# Altium PCB PCB_H-bridge.PcbDoc
Units mm, origin at the board's own origin, x right, y up, seen from the top; angles counter-clockwise.
Board outline 120 x 120 mm, 4 copper layers (Top Layer, Gnd, Vcc, Bottom Layer), stack 1.946 mm thick; 54 components, 49 nets, 234 pads, 77 vias.
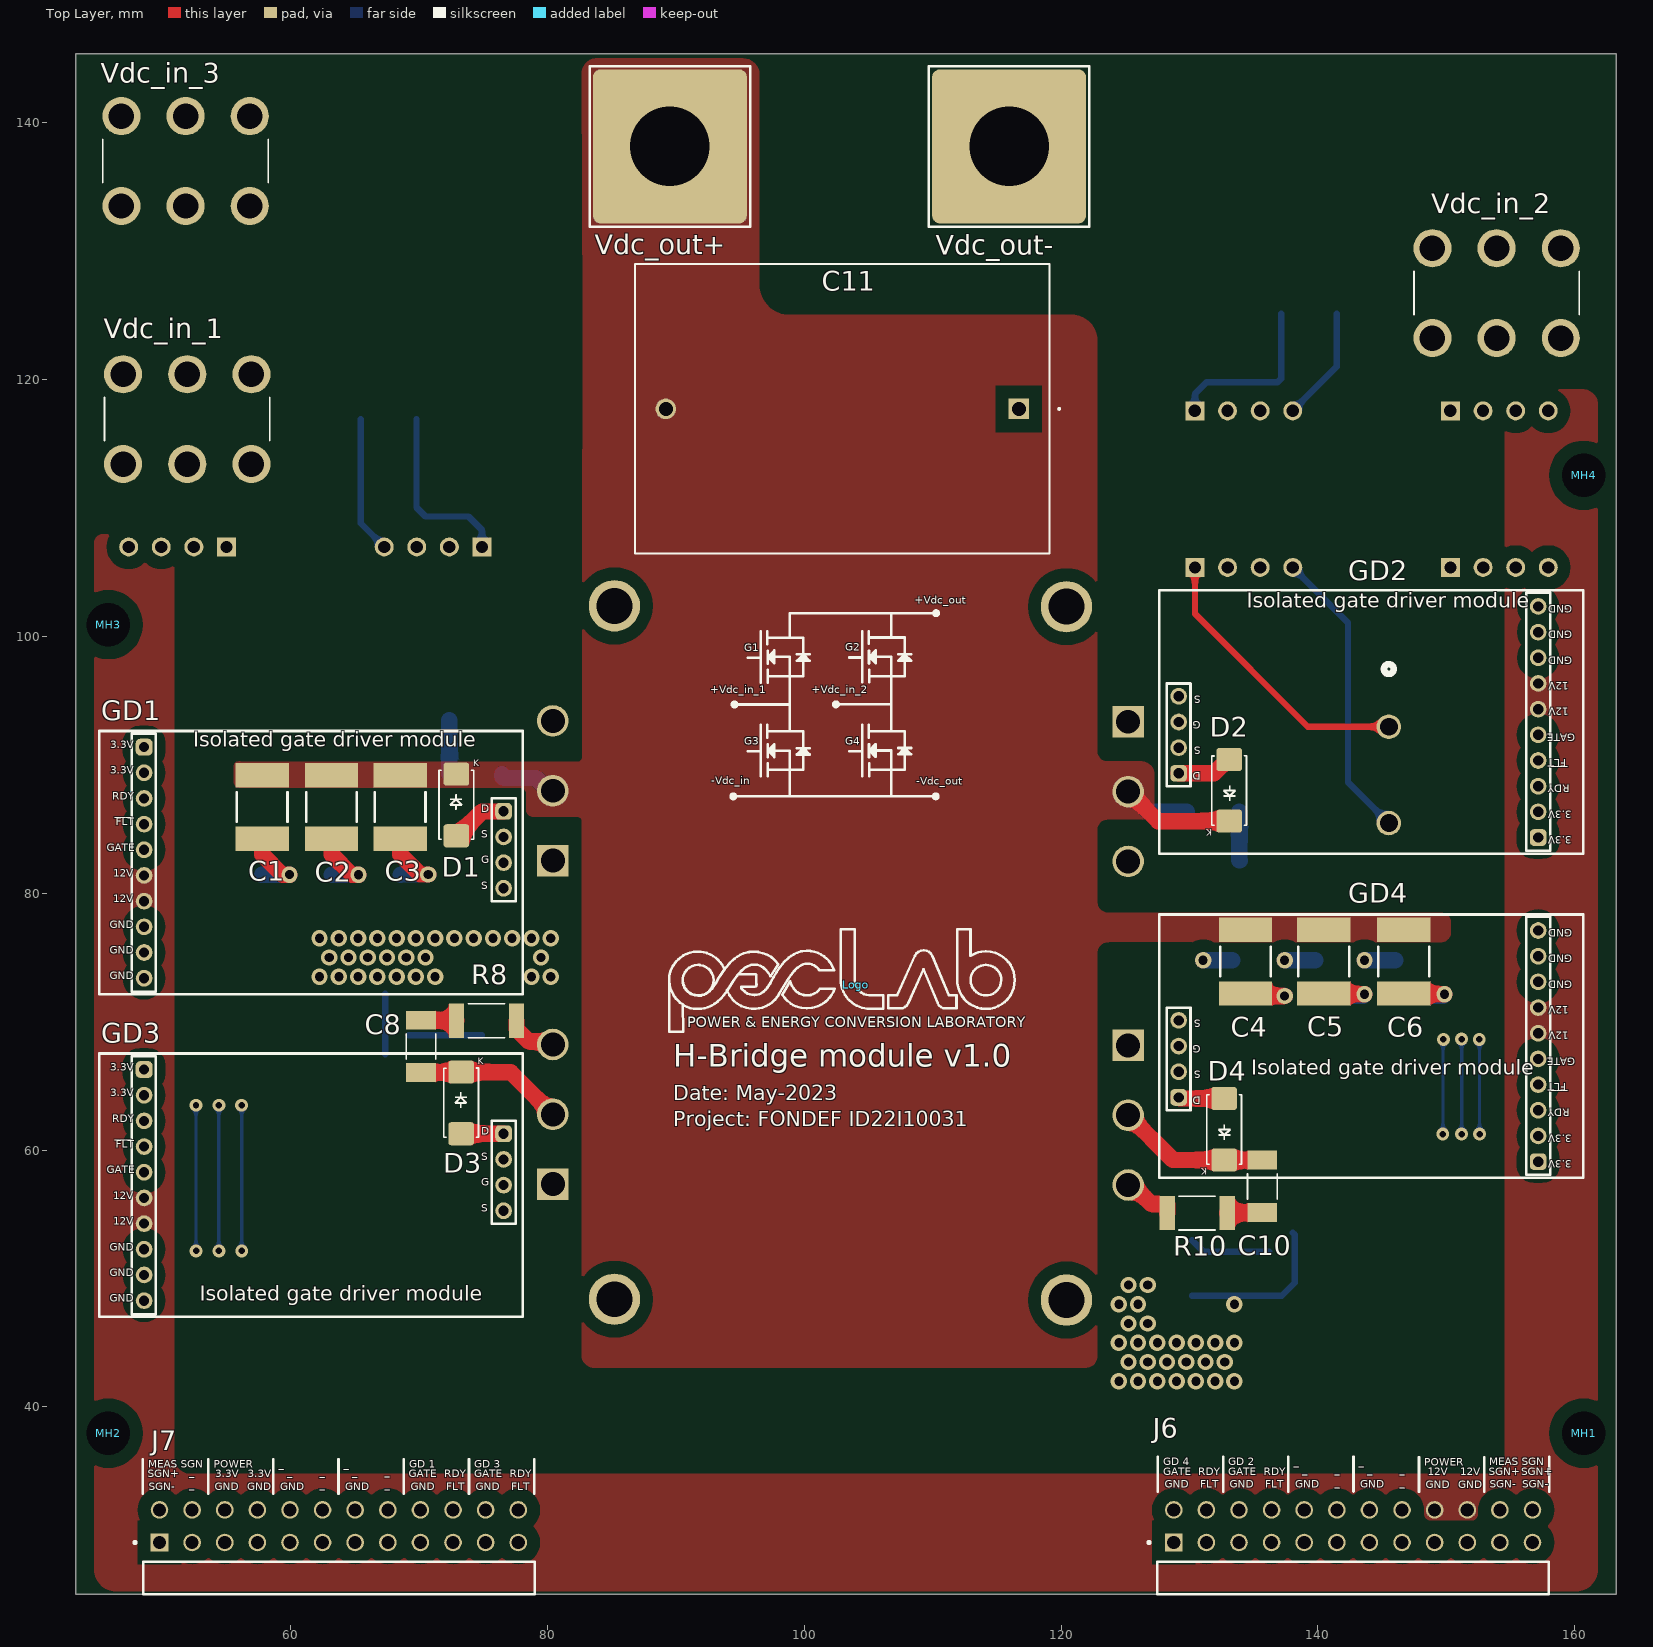
[diagram p0: Top Layer view]
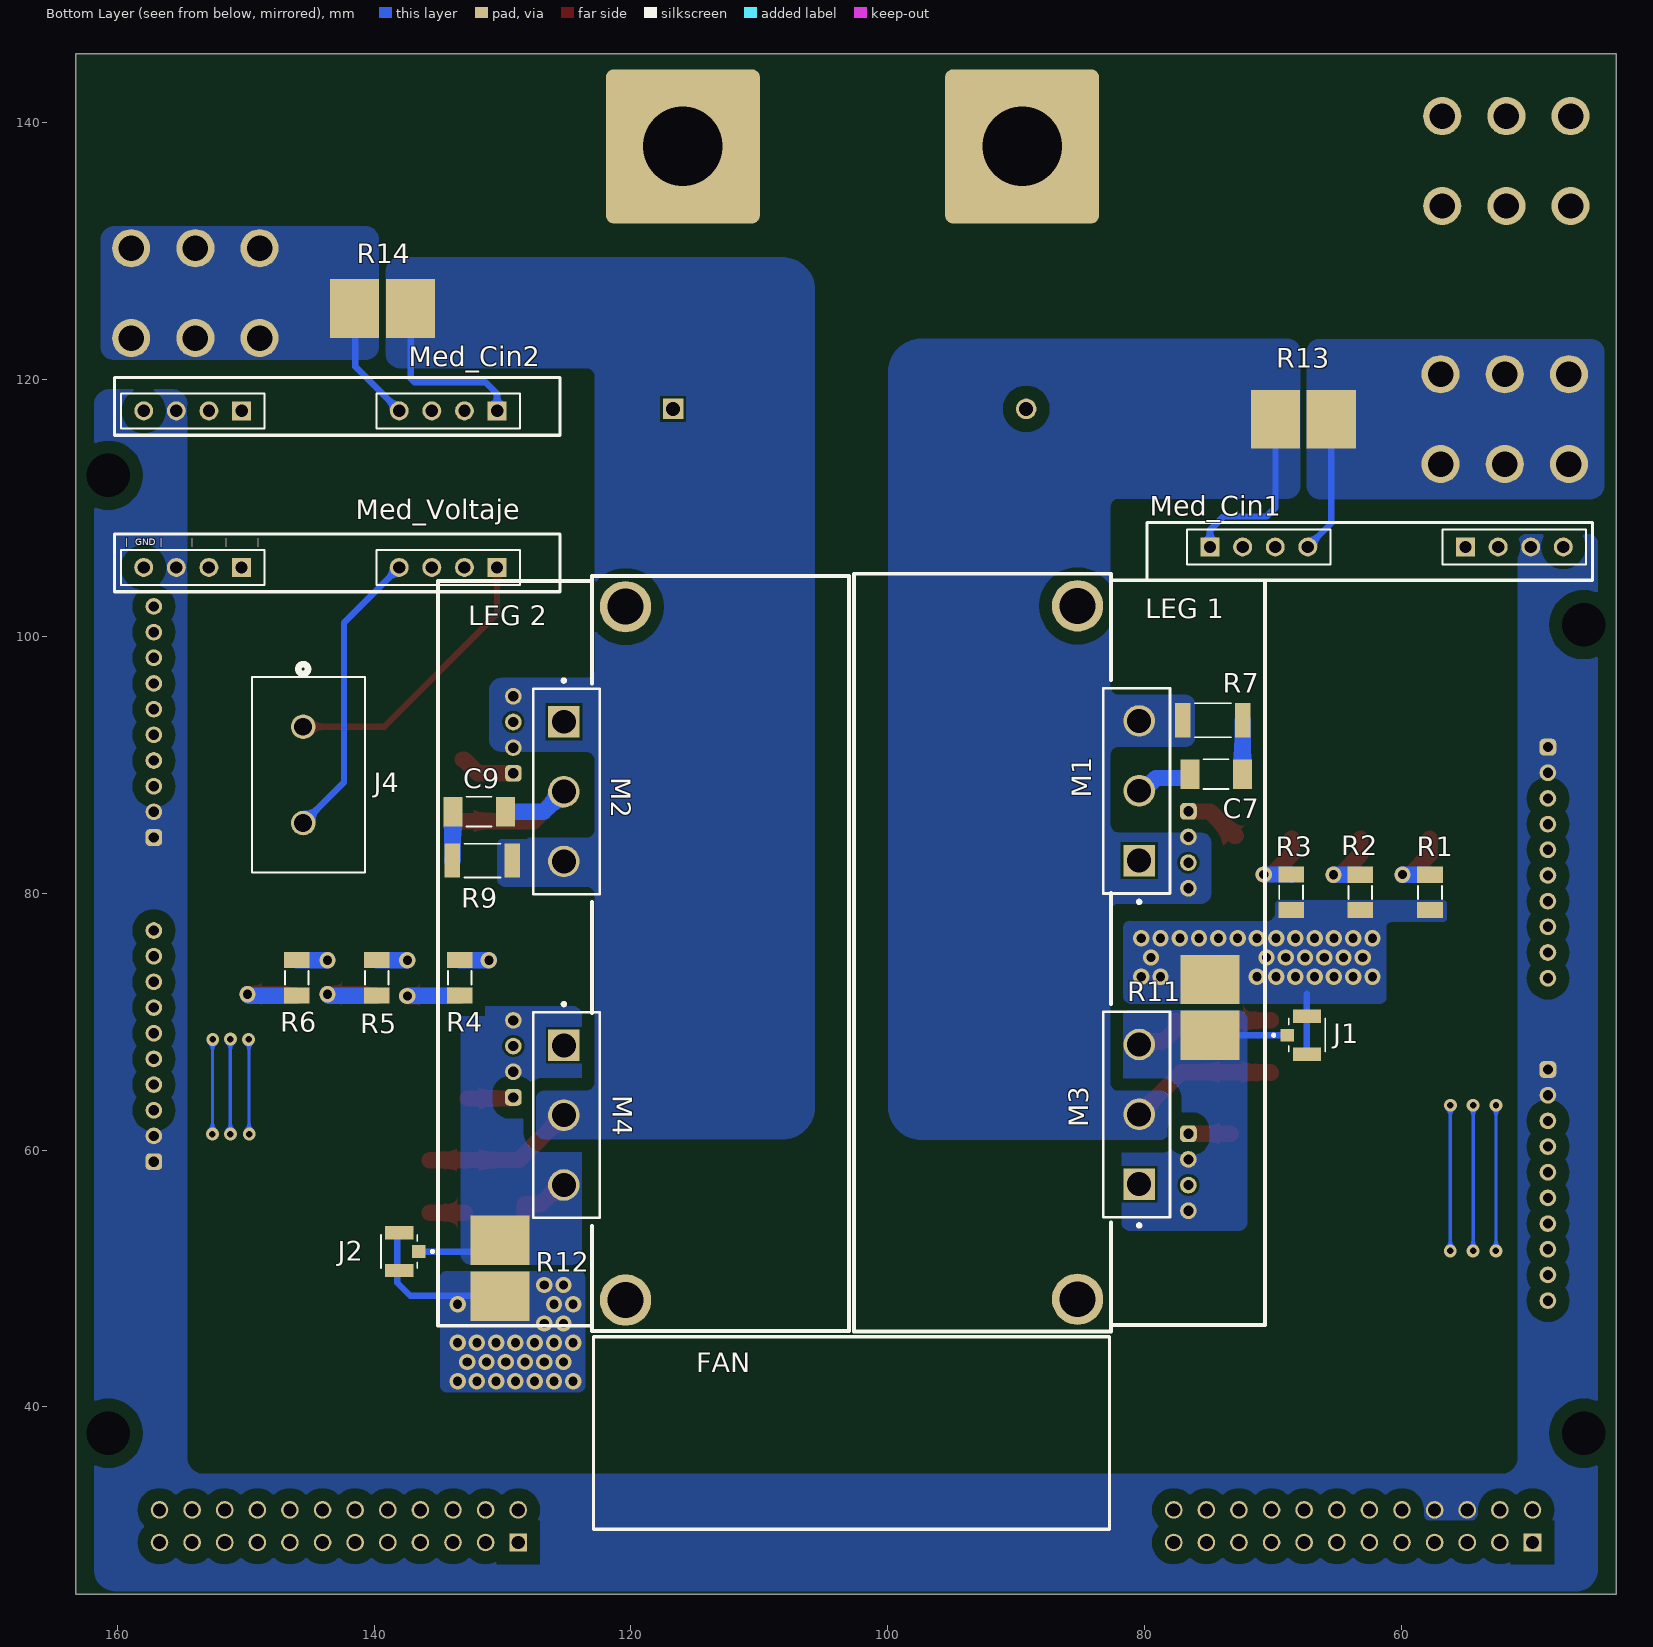
[diagram p1: Bottom Layer view, seen from below]
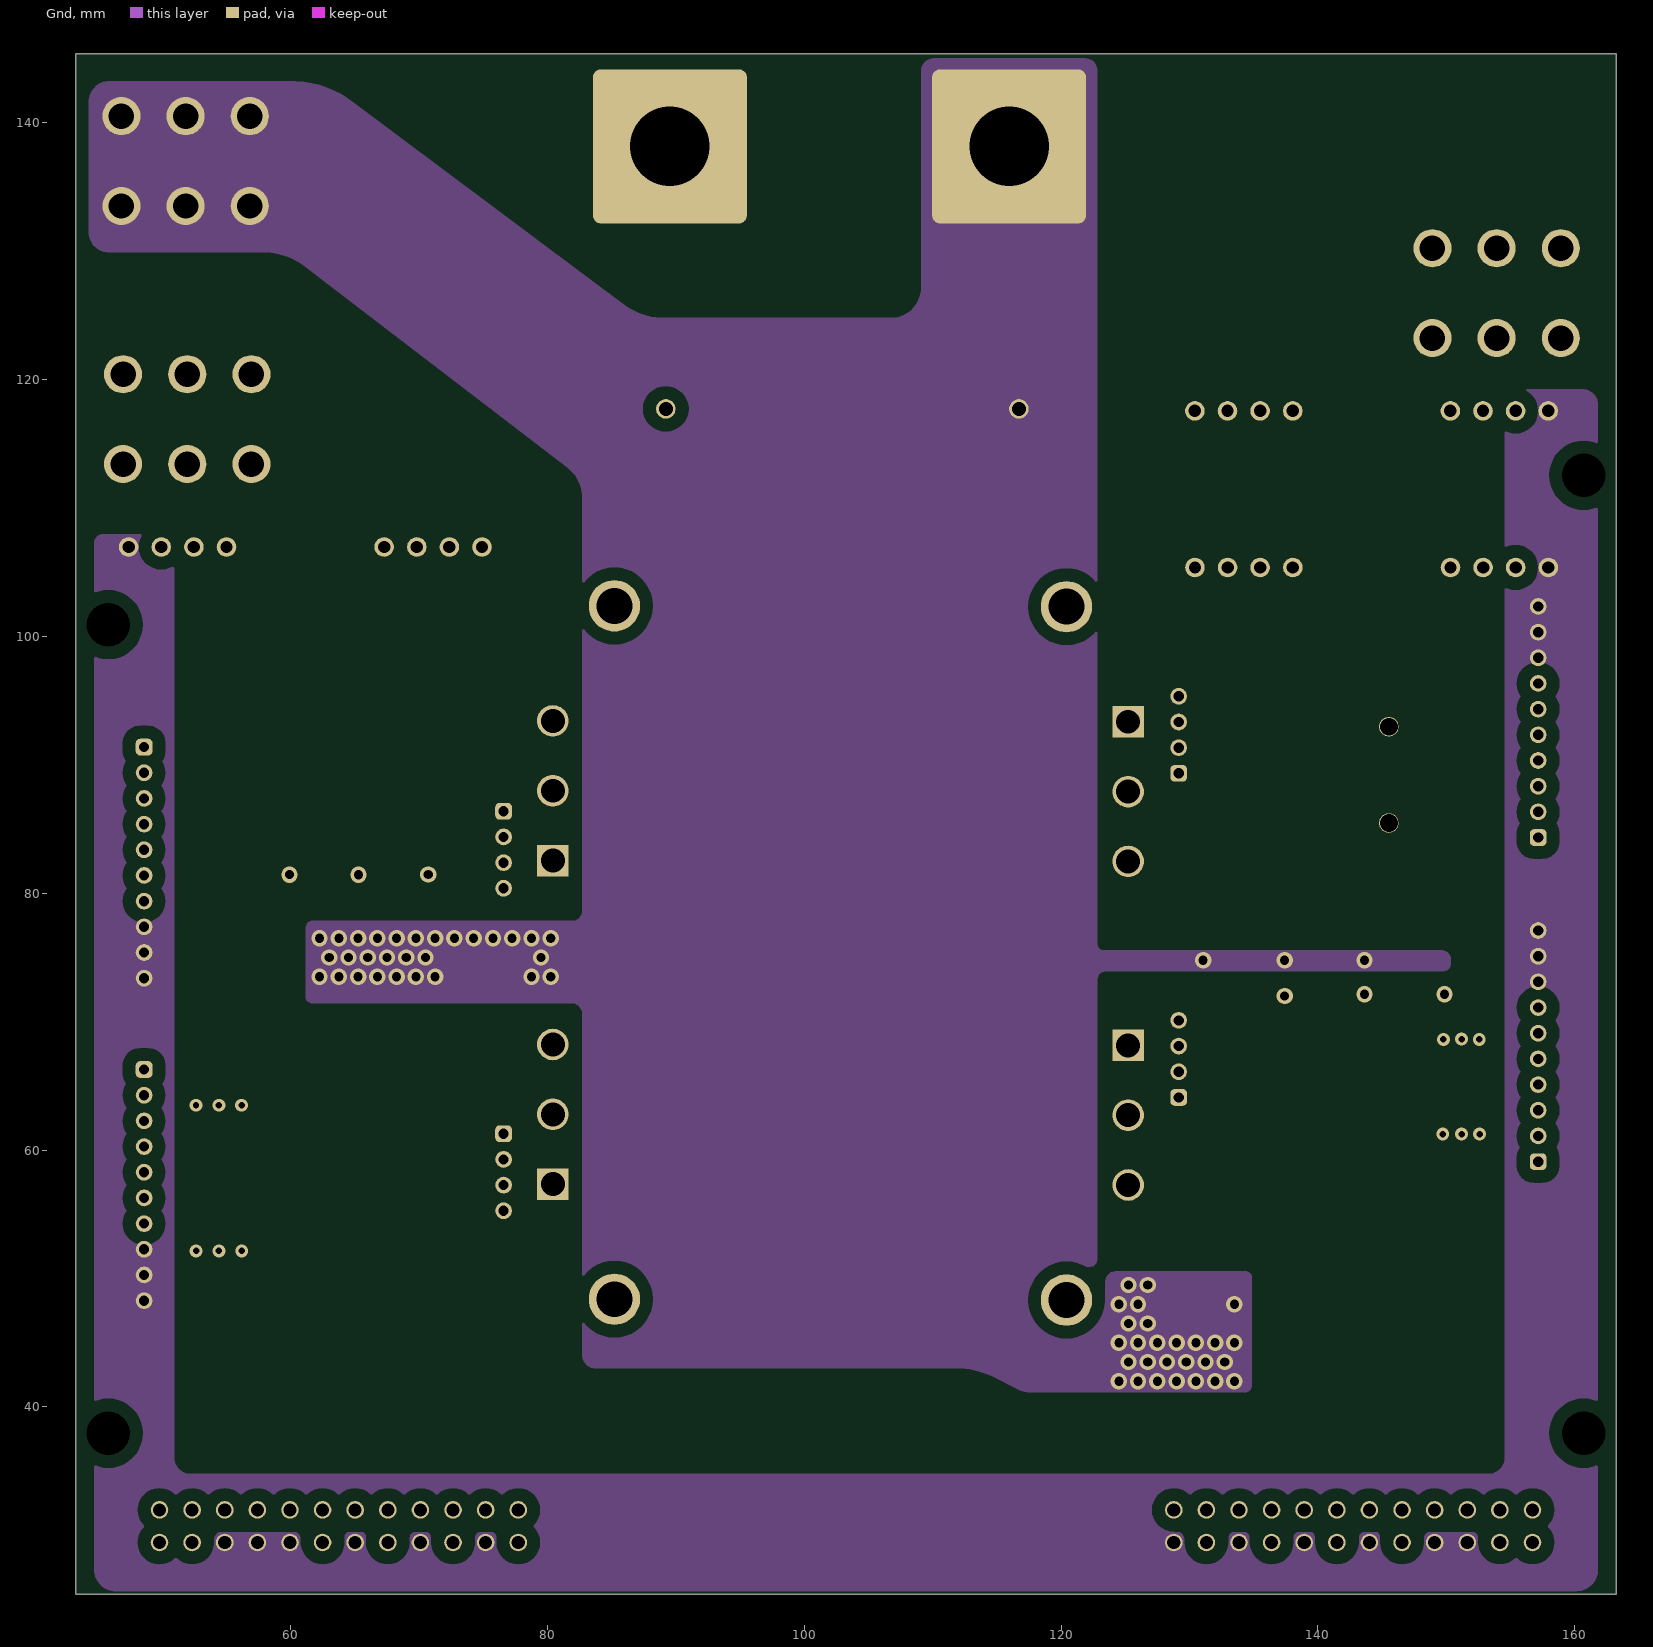
[diagram p2: Gnd]
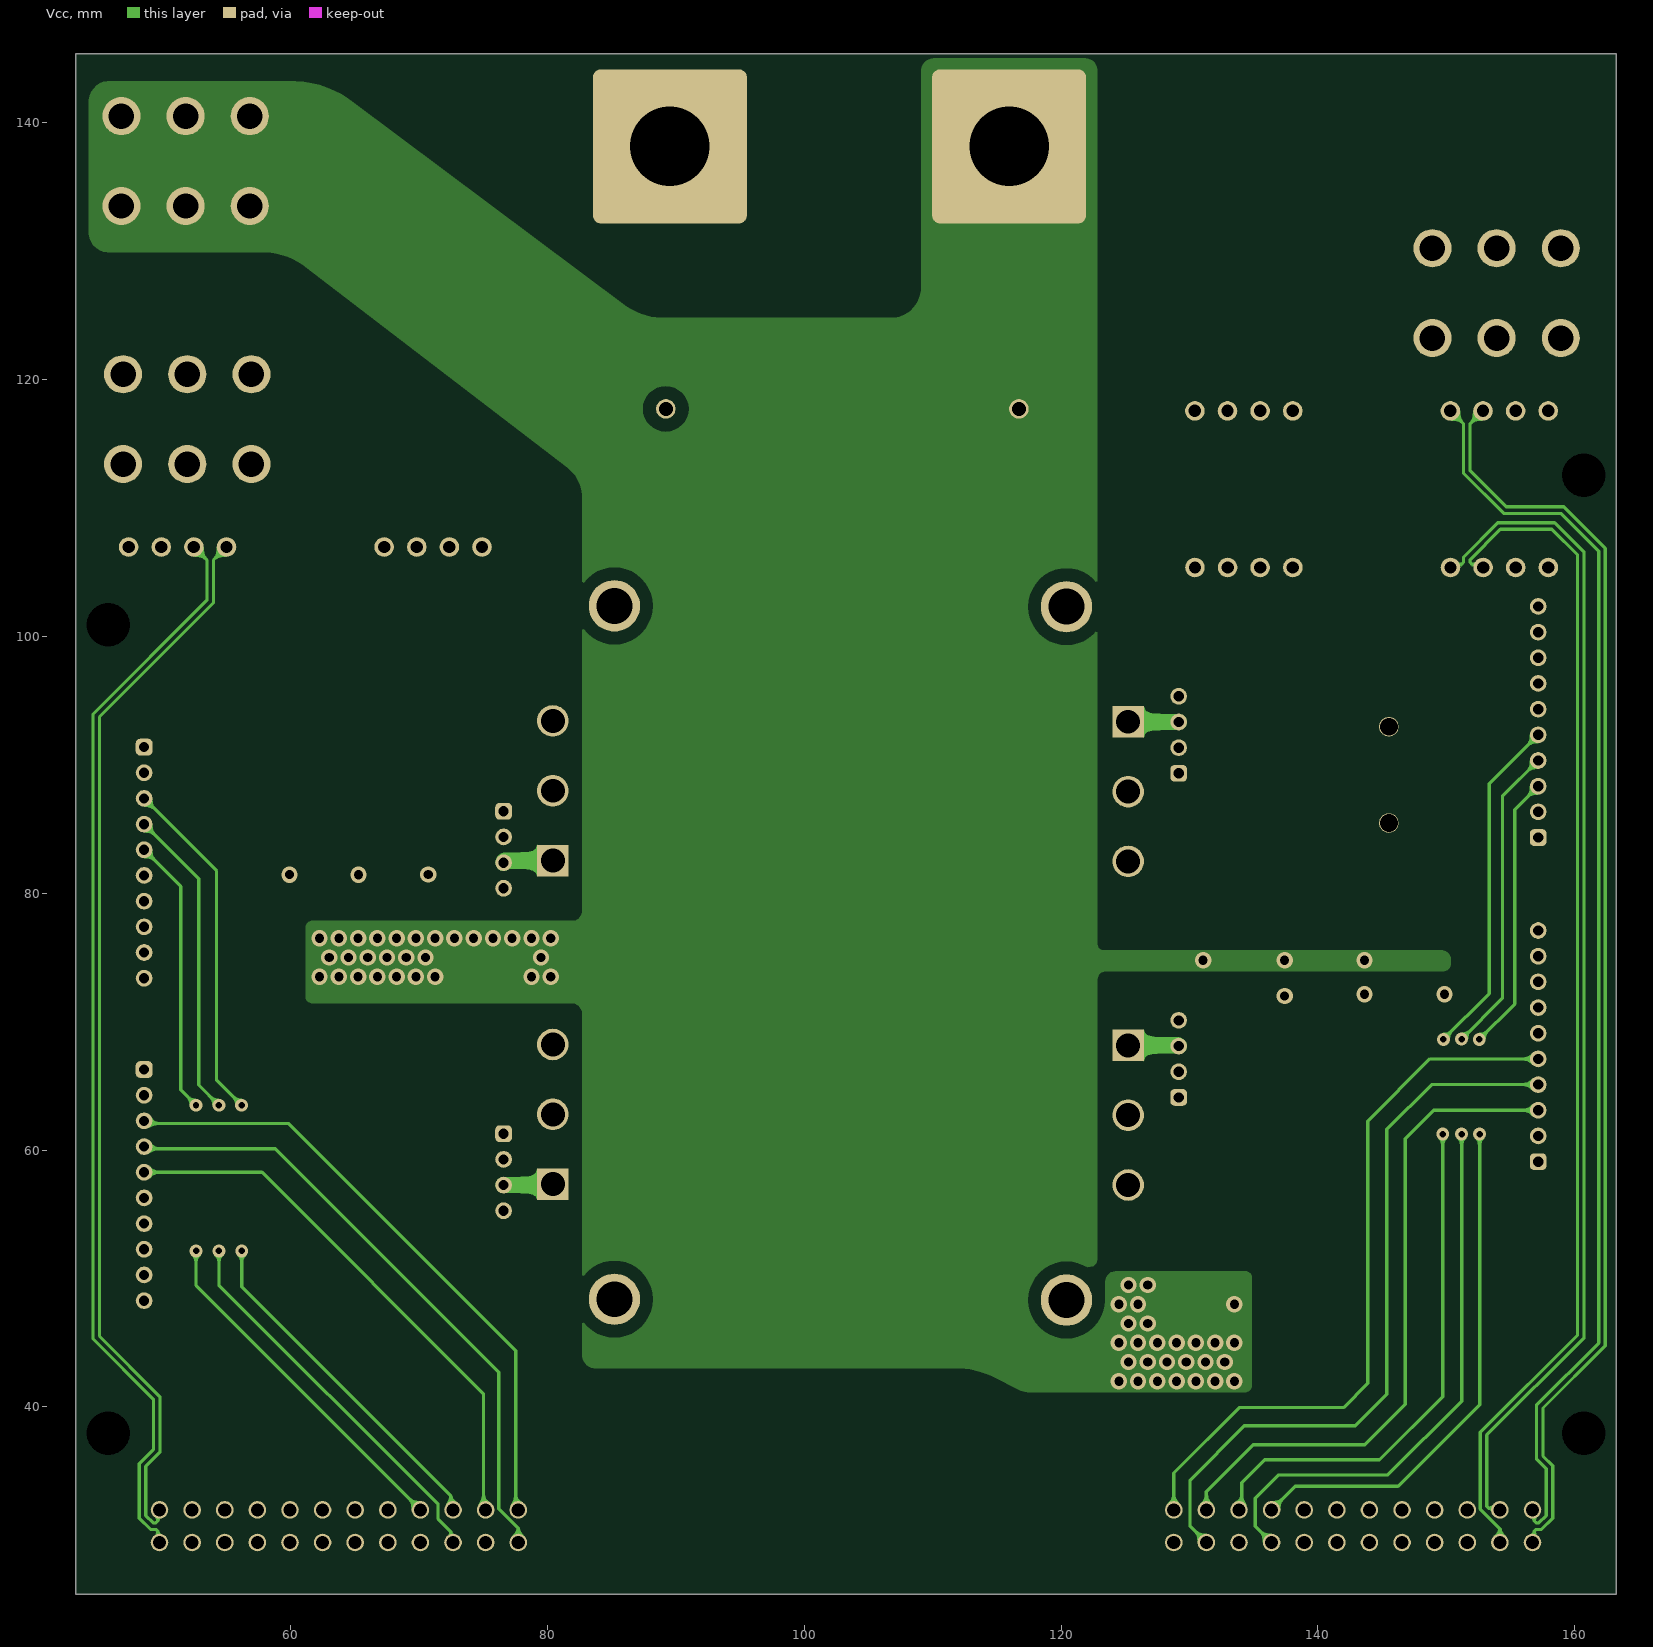
[diagram p3: Vcc]

## Layer stack, top to bottom
Top Solder: solder mask 0.025, SM-003, Dk 4
Top Layer: signal copper 0.107
Dielectric 1: core 0.254, FR-4, Dk 4.2
Gnd: signal copper 0.107
Dielectric 3: prepreg 1.01, Dk 4.2
Vcc: signal copper 0.107
Dielectric 2: core 0.254, FR-4, Dk 4.2
Bottom Layer: signal copper 0.107
Bottom Solder: solder mask 0.025, SM-003, Dk 4

## Board outline
43.25,25.4 43.25,145.4 163.25,145.4 163.25,25.4

## Design rules (kind name [scope] priority, off if disabled: settings)
Clearance gate_source1 [InNet('GD_source1') vs InNet('Gate1')] p1: gap=0.2 ignorepadtopadclearanceinfootprint=TRUE except(0.1: Arc-Text Arc-Hole Track-Text Track-Hole SMDPad-Text SMDPad-Hole THPad-Text THPad-Hole Via-Text Via-Hole Fill-Text Fill-Hole Poly-Text Poly-Hole Region-Text Region-Hole Text-Text Text-Hole)
Clearance gate_source2 [InNet('GD_source2') vs InNet('Gate2')] p2: gap=0.2 ignorepadtopadclearanceinfootprint=TRUE except(0.1: Arc-Text Arc-Hole Track-Text Track-Hole SMDPad-Text SMDPad-Hole THPad-Text THPad-Hole Via-Text Via-Hole Fill-Text Fill-Hole Poly-Text Poly-Hole Region-Text Region-Hole Text-Text Text-Hole)
Clearance gate_source3 [InNet('GD_source3') vs InNet('Gate3')] p3: gap=0.2 ignorepadtopadclearanceinfootprint=TRUE except(0.1: Arc-Text Arc-Hole Track-Text Track-Hole SMDPad-Text SMDPad-Hole THPad-Text THPad-Hole Via-Text Via-Hole Fill-Text Fill-Hole Poly-Text Poly-Hole Region-Text Region-Hole Text-Text Text-Hole)
Clearance gate_source4 [InNet('GD_source4') vs InNet('Gate4')] p4: gap=0.2 ignorepadtopadclearanceinfootprint=TRUE except(0.1: Arc-Text Arc-Hole Track-Text Track-Hole SMDPad-Text SMDPad-Hole THPad-Text THPad-Hole Via-Text Via-Hole Fill-Text Fill-Hole Poly-Text Poly-Hole Region-Text Region-Hole Text-Text Text-Hole)
Clearance "Poly to poly" [InNet('GD_source2') or InNet('GD_source1') or InNet('GD_source3') or InNet('GD_source4') vs InNet('Vdc_IN_2') or InNet('Vdc_IN_1') or InNet('Vdc_IN_3')] p5: gap=0.2 ignorepadtopadclearanceinfootprint=TRUE except(0.1: Arc-Text Arc-Hole Track-Text Track-Hole SMDPad-Text SMDPad-Hole THPad-Text THPad-Hole Via-Text Via-Hole Fill-Text Fill-Hole Poly-Text Poly-Hole Region-Text Region-Hole Text-Text Text-Hole)
Clearance Clearance_PWR_Gate [InNet('PWR_gate1')or InNet('PWR_Gate2')] p6: gap=0.25 ignorepadtopadclearanceinfootprint=TRUE except(0.254: Arc-Region Arc-Text Arc-Hole Track-Region Track-Text Track-Hole SMDPad-Region SMDPad-Text SMDPad-Hole THPad-Region THPad-Text THPad-Hole Via-Region Via-Text Via-Hole Fill-Region Fill-Text Fill-Hole Poly-Region Poly-Text Poly-Hole Region-Region Region-Text Region-Hole Text-Text Text-Hole)
Clearance Clearance_inner_layer [(InNet('Vdc_OUT_1') or InNet('Source2') or InNet('12V') or InNet('3.3V') or InNet('GND') or InNet('Source1') or InNet('Drain2') or InNet('Drain1') or InNet('Source3') or InNet('Vdc_IN_3') or InNet('Source4') or  InNet('Vdc_IN_2') or InNet('Vdc_IN_1') or InNet('GD_source3') or InNet('GD_source4')) and OnMid] p7: gap=1 ignorepadtopadclearanceinfootprint=TRUE except(0.254: Arc-Text Arc-Hole Track-Text Track-Hole SMDPad-Text SMDPad-Hole THPad-Text THPad-Hole Via-Text Via-Hole Fill-Text Fill-Hole Poly-Text Poly-Hole Region-Region Region-Text Region-Hole Text-Text Text-Hole; 0.7: Track-THPad; 0.9: Track-SMDPad)
Clearance Clearence_outer_layer [(InNet('Vdc_OUT_1') or InNet('Source2') or InNet('12V') or InNet('3.3V') or InNet('GND') or InNet('Source1') or InNet('Drain2') or InNet('Drain1') or InNet('Source3') or  InNet('Vdc_IN_2') or InNet('Vdc_IN_1') or InNet('Vdc_IN_3') or InNet('Source4') or InNet('GD_source1') or InNet('GD_source2') or InNet('GD_source3') or InNet('GD_source4')) and OnOutside] p8: gap=1 ignorepadtopadclearanceinfootprint=TRUE except(0.254: Arc-Text Arc-Hole Track-Text Track-Hole SMDPad-Text SMDPad-Hole THPad-Text THPad-Hole Via-Text Via-Hole Fill-Text Fill-Hole Poly-Text Poly-Hole Region-Region Region-Text Region-Hole Text-Text Text-Hole; 0.7: Track-THPad; 0.9: Track-SMDPad; 1.2: Arc-Region Track-Region SMDPad-Region THPad-Region Via-Region Fill-Region Poly-Region)
Clearance [All] p9: gap=0.2 ignorepadtopadclearanceinfootprint=TRUE except(0.1: Arc-Text Arc-Hole Track-Text Track-Hole SMDPad-Text SMDPad-Hole THPad-Text THPad-Hole Via-Text Via-Hole Fill-Text Fill-Hole Poly-Text Poly-Hole Region-Text Region-Hole Text-Text Text-Hole)
Creepage Creepage_outer_layer [All] p1: checkdistance=2.5 ignoreinternallayers=FALSE
DiffPairsRouting [All] p1: maxlimit=0.254 minlimit=0.254 mostfreqgap=0.254 toplayer_minwidth=0.254 toplayer_maxwidth=0.254 toplayer_prefwidth=0.254 midlayer1_minwidth=0.254 midlayer1_maxwidth=0.254 midlayer1_prefwidth=0.254 midlayer2_minwidth=0.254 midlayer2_maxwidth=0.254 midlayer2_prefwidth=0.254 bottomlayer_minwidth=0.254 bottomlayer_maxwidth=0.254 bottomlayer_prefwidth=0.254 maxuncoupledlength=12.7
Height [All] p1: minheight=0 maxheight=50 prefheight=12.7
HoleSize [All] p1: absolutevalues=TRUE maxlimit=7 minlimit=0.025 maxpercent=80.000 minpercent=20.000
MatchedLengths [InDifferentialPair ('Im1')] p1: tolerance=25.4 checknetsindiffpair=FALSE checkdiffpairvsdiffpair=TRUE checkxsignals=TRUE checkothers=TRUE
MinimumSolderMaskSliver [All] p1: minsoldermaskwidth=0.2
PlaneClearance [All] p1: clearance=1
PolygonConnect PolygonConnect_1 [HasFootprint('C4AQLBU5125M1YK')] p1: connectstyle=Direct reliefconductorwidth=0.254 reliefentries=4 polygonreliefangle="90 Angle" airgapwidth=0.254
PolygonConnect MOSFET_Connect [(InNet('Vdc_OUT_1') or InNet('PWR_Source1') or InNet('PWR_Source2')) and HasFootprint('Disipador Mosfet TO-247')] p2: connectstyle=Direct reliefconductorwidth=0.254 reliefentries=4 polygonreliefangle="90 Angle" airgapwidth=0.254
PolygonConnect [All] p3: connectstyle=Direct reliefconductorwidth=0.254 reliefentries=4 polygonreliefangle="90 Angle" airgapwidth=0.254
PolygonConnect "Control power supply" [InNet('3.3V') or InNet('12V') or InNet('GND')] p4: connectstyle=Direct reliefconductorwidth=0.254 reliefentries=4 polygonreliefangle="90 Angle" airgapwidth=0.254
PolygonConnect M6Pad_Connect [HasFootprint('M6 PAD Connector')] p5: connectstyle=Direct reliefconductorwidth=0.254 reliefentries=4 polygonreliefangle="90 Angle" airgapwidth=0.254
RoutingVias [All] p1: holewidth=0.711 width=1.27 viastyle="Through Hole" minholewidth=0.711 minwidth=1.27 maxholewidth=0.711 maxwidth=1.27
SilkToSilkClearance [All] p1: silktosilkclearance=0.01
SilkToSolderMaskClearance [IsPad] p1: minsilkscreentomaskgap=0.09 clearancetoexposedcopper=TRUE
SolderMaskExpansion [All] p1: expansion=0.1 istentingtop=FALSE
UnRoutedNet [All] p1: checkbadconnections=TRUE
Width [All] p1: maxlimit=1.27 minlimit=0.254 preferedwidth=0.5
22 further rules are at their usual default settings.

## Classes and differential pairs
component class Gate_Drivers: GD1 GD2 GD3 GD4
component class Power_Topology: C1 C2 C3 C4 C5 C6 C7 C8 C9 C10 C11 D1 D2 D3 D4 J1 J2 J4 J6 J7 "LEG 1" "LEG 2" Logo Med_Cin1 Med_Cin2 Med_Voltaje MH1 MH2 MH3 MH4 R1 R3 R4 R5 R6 R7 R8 R9 R10 R11 R12 R13 R14 Vdc_in_1 Vdc_in_2 Vdc_in_3 Vdc_out+ Vdc_out-
component class Heatsink: FAN
differential pair Im2: +Im2_P -Im2_N
differential pair Im1: +Im1_P -Im1_N
differential pair Vm: +Vm_P -Vm_N

## Components (designator, comment, footprint, x,y, rotation, side; value= is the part's Value field where it differs from the comment)
C1 "C1812C471JDGACTU" CAP_1812 57.775,86.725 r270 top
C2 "C1812C471JDGACTU" CAP_1812 63.175,86.725 r270 top
C3 "C1812C471JDGACTU" CAP_1812 68.525,86.725 r270 top
C4 "C1812C471JDGACTU" CAP_1812 134.366,74.676 r270 top
C5 "C1812C471JDGACTU" CAP_1812 140.462,74.676 r270 top
C6 "C1812C471JDGACTU" CAP_1812 146.685,74.676 r270 top
C7 "C1808C681JGGAC7800" CAPC4520X200N 74.422,89.281 r0 bottom value="680 pF"
C8 "C1808C681JGGAC7800" CAPC4520X200N 70.15,68.075 r270 top value="680 pF"
C9 "C1808C681JGGAC7800" CAPC4520X200N 131.826,86.36 r180 bottom value="680 pF"
C10 "C1808C681JGGAC7800" CAPC4520X200N 135.675,57.175 r90 top value="680 pF"
C11 "C4AQIBU5125A12J" CAP_C4AQ_B_2_KEM 116.713,117.729 r180 top
D1 "ES1MTR" SMA 72.898,89.281 r0 top
D2 "ES1MTR" SMA 133.096,85.624 r180 top
D3 "ES1MTR" SMA 73.275,66.075 r0 top
D4 "ES1MTR" SMA 132.7,59.225 r180 top